# Altium PCB mantarray_beta2_sensor_arrayed.PcbDoc (part 6 of 14)
Units mil, origin at the board's own origin, x right, y up, seen from the top; angles counter-clockwise.
Board outline 6232.47 x 10167.51 mil, 8 copper layers (Layer1_Top, Layer2_sig1, Layer3_AVDD_PLANE, Layer4_GND_PLANE, Layer5_DVDD_PLANE, Layer6_BUS, Layer7_sig2, Layer8_BOT), stack 50.224 mil thick; 470 components, 492 nets, 4650 pads, 3798 vias.
Unrouted connection lines stored in the file: 3.
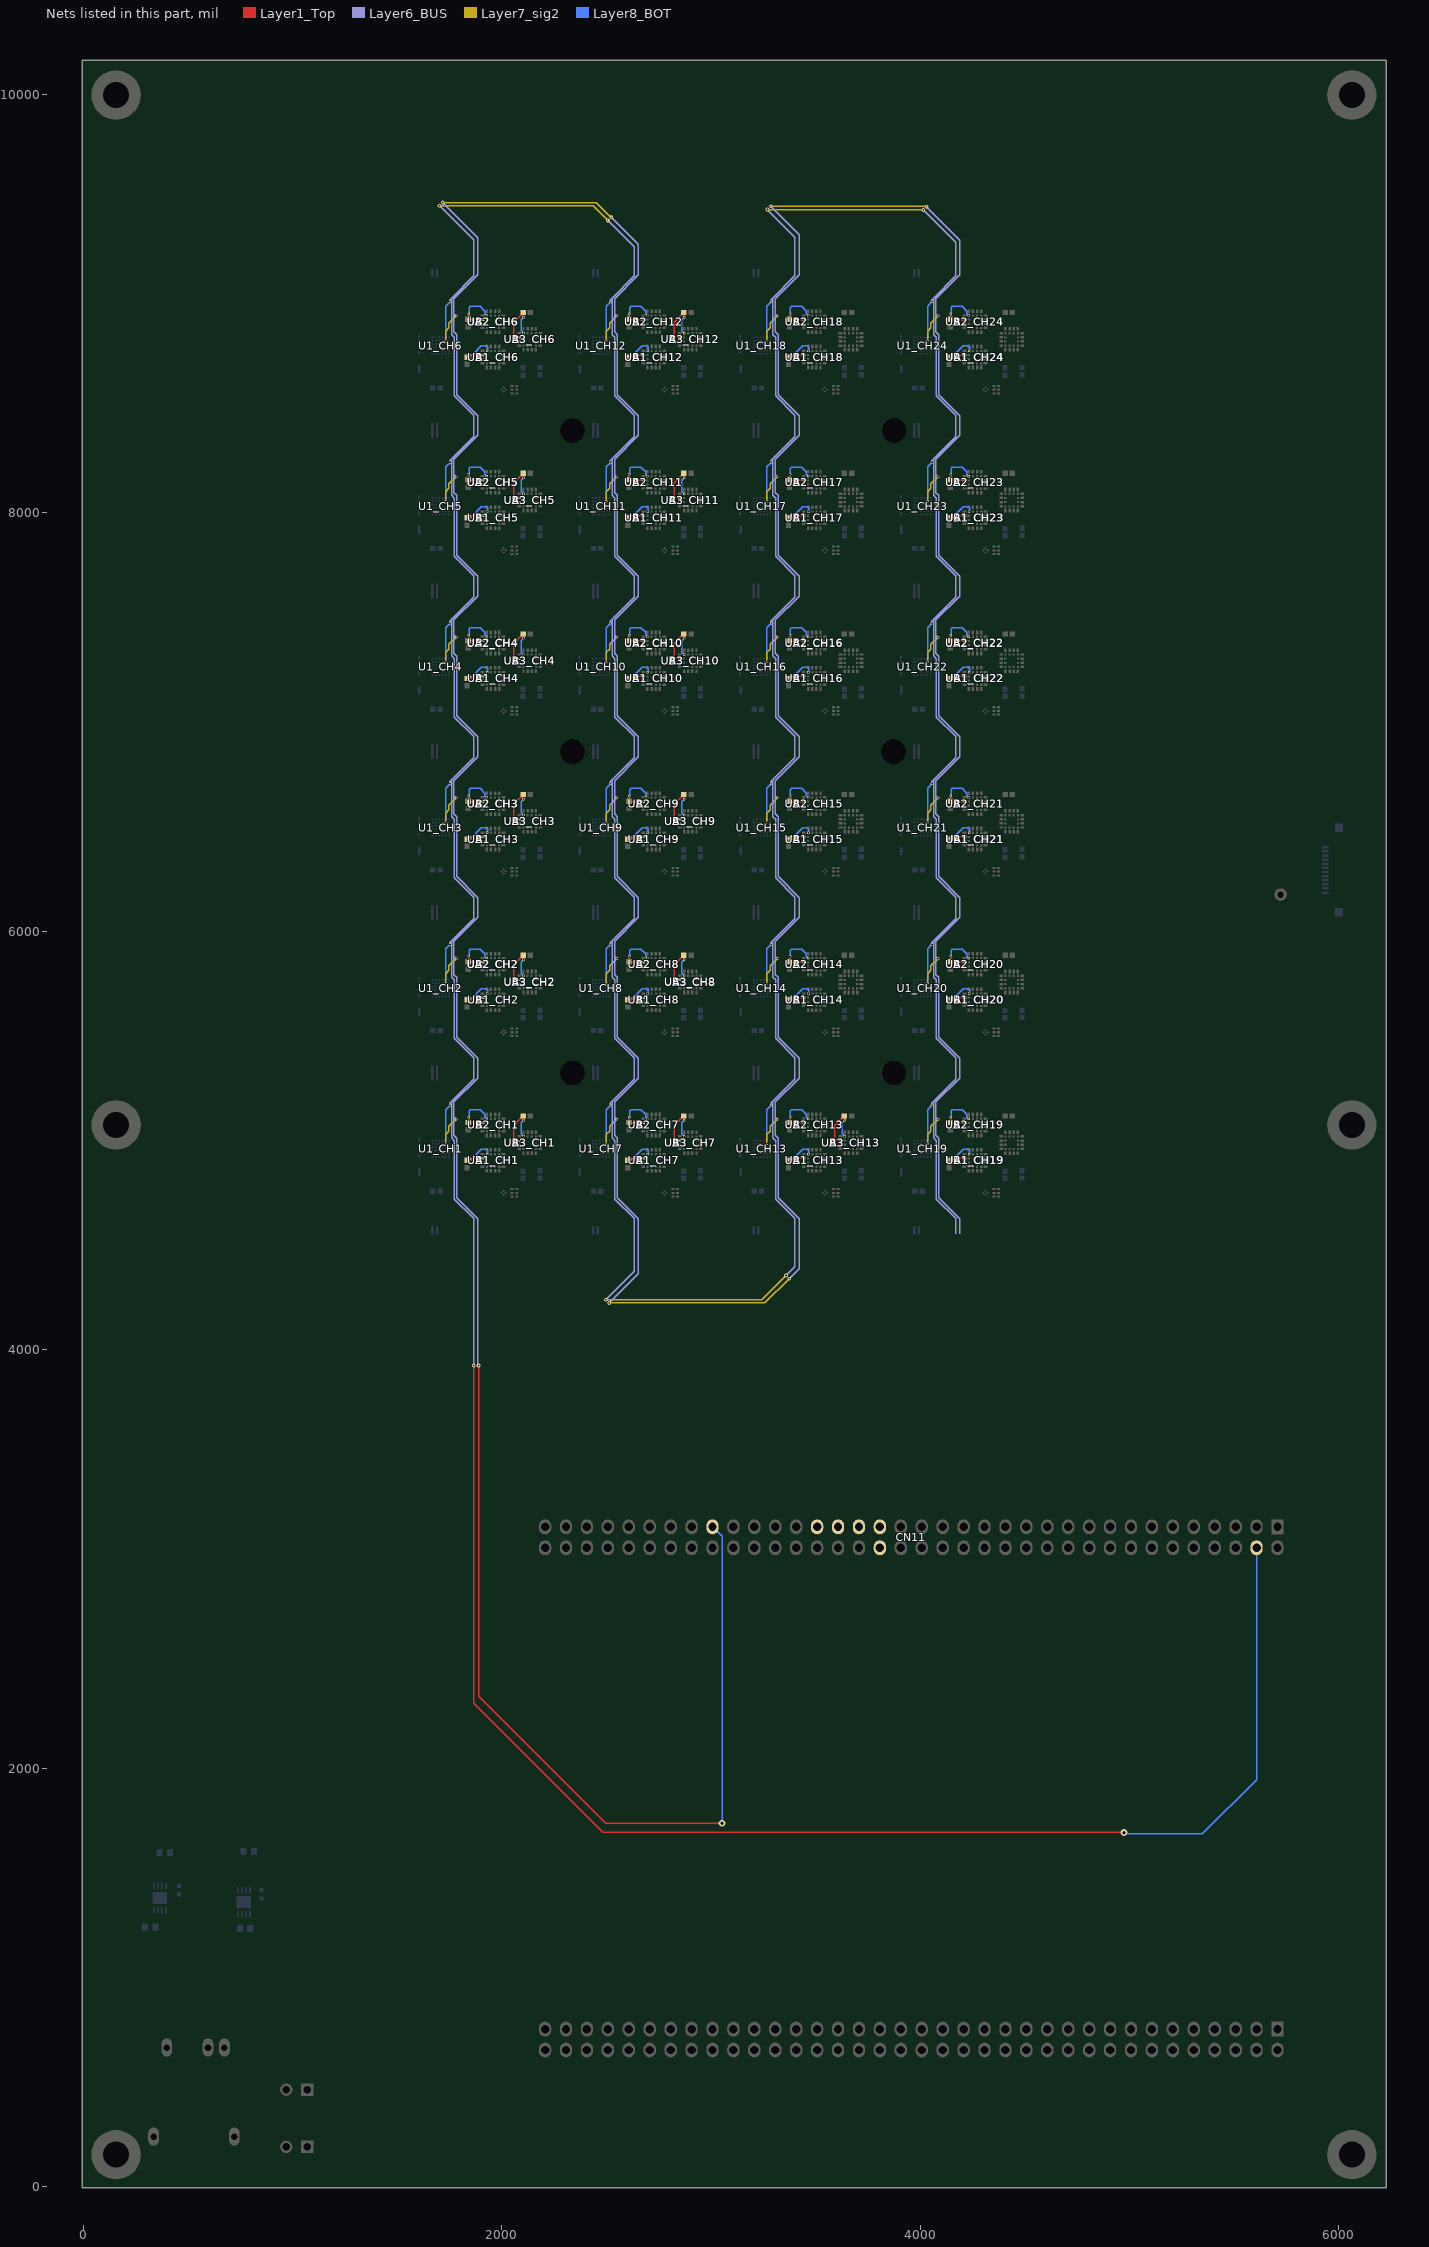
[diagram p12: the nets of this part, all layers, seen from the top]

## Via types
v1: diameter 12/12/12/12/12 (per signal layer), hole 7.87, Layer1_Top to Layer8_BOT, 2208 vias
v2: diameter 32, hole 20, Layer1_Top to Layer8_BOT, 815 vias
v3: diameter 10/10/10/10/10 (per signal layer), hole 7.87, Layer1_Top to Layer8_BOT, 456 vias
v4: diameter 18, hole 8, Layer6_BUS to Layer7_sig2, 102 vias
v5: diameter 10/10 (per signal layer), hole 7.87, Layer7_sig2 to Layer8_BOT, 96 vias
v6: diameter 18, hole 16, Layer1_Top to Layer8_BOT, 57 vias
v7: diameter 12, hole 7.87, Layer1_Top to Layer8_BOT, 26 vias
v8: diameter 18, hole 8, Layer1_Top to Layer8_BOT, 17 vias
v9: diameter 32, hole 16, Layer1_Top to Layer8_BOT, 10 vias
v10: diameter 19.68, hole 7.87, Layer1_Top to Layer8_BOT, 4 vias
v11: diameter 30, hole 20, Layer1_Top to Layer8_BOT, 3 vias
v12: diameter 70.87, hole 47.24, Layer1_Top to Layer8_BOT, 2 vias
v13: diameter 20, hole 16, Layer3_AVDD_PLANE to Layer8_BOT, 1 vias
v14: diameter 20, hole 16, Layer5_DVDD_PLANE to Layer8_BOT, 1 vias

## Nets (pads, with @x,y where several pads share a name; then routed paths per layer and width w, separated by ;. In a path a pad name is that pad's centre, name@x,y a point inside that pad or via, vN(x,y) a via of type N, cw(c..) or ccw(c..) an arc to the next point about the centre after c; other vN are vias at no path point) (continued)
BUS_C1: CN11.55 pad.5@1885.83,4557.09 pad.5@1885.83,5320.87 pad.5@1885.83,5324.8 pad.5@1885.83,6088.58 pad.5@1885.83,6092.52 pad.5@1885.83,6856.3 pad.5@1885.83,6860.24 pad.5@1885.83,7624.02 pad.5@1885.83,7627.95 pad.5@1885.83,8391.73 pad.5@1885.83,8395.67 pad.5@1885.83,9159.45 pad.5@2653.54,4557.09 pad.5@2653.54,5320.87 pad.5@2653.54,5324.8 pad.5@2653.54,6088.58 pad.5@2653.54,6092.52 pad.5@2653.54,6856.3 pad.5@2653.54,6860.24 pad.5@2653.54,7624.02 pad.5@2653.54,7627.95 pad.5@2653.54,8391.73 pad.5@2653.54,8395.67 pad.5@2653.54,9159.45 pad.5@3421.26,4557.09 pad.5@3421.26,5320.87 pad.5@3421.26,5324.8 pad.5@3421.26,6088.58 pad.5@3421.26,6092.52 pad.5@3421.26,6856.3 pad.5@3421.26,6860.24 pad.5@3421.26,7624.02 pad.5@3421.26,7627.95 pad.5@3421.26,8391.73 pad.5@3421.26,8395.67 pad.5@3421.26,9159.45 pad.5@4188.98,4557.09 pad.5@4188.98,5320.87 pad.5@4188.98,5324.8 pad.5@4188.98,6088.58 pad.5@4188.98,6092.52 pad.5@4188.98,6856.3 pad.5@4188.98,6860.24 pad.5@4188.98,7624.02 pad.5@4188.98,7627.95 pad.5@4188.98,8391.73 pad.5@4188.98,8395.67 pad.5@4188.98,9159.45 U1_CH1.B2 U1_CH2.B2 U1_CH3.B2 U1_CH4.B2 U1_CH5.B2 U1_CH6.B2 U1_CH7.B2 U1_CH8.B2 U1_CH9.B2 U1_CH10.B2 U1_CH11.B2 U1_CH12.B2 U1_CH13.B2 U1_CH14.B2 U1_CH15.B2 U1_CH16.B2 U1_CH17.B2 U1_CH18.B2 U1_CH19.B2 U1_CH20.B2 U1_CH21.B2 U1_CH22.B2 U1_CH23.B2 U1_CH24.B2 | length 33942.2
  Layer1_Top w6: v8(1889.86,3925.2) 1889.86,2345.64 2497.98,1737.53 v9@3053.15,1737.53
  Layer6_BUS w6: v4(1718.75,9482.53) 1885.83,9315.45 pad.5@1885.83,9159.45 1885.83,9137.43 1771.65,9023.26 1771.65,8946.85 ; v1(1782.28,5102.36) 1780.65,5102.36 1774.75,5108.27 1771.65,5108.27 ; v1(1782.28,5870.08) 1780.65,5870.08 1774.75,5875.98 1771.65,5875.98 ; v1(1782.28,6637.8) 1780.65,6637.8 1774.75,6643.7 1771.65,6643.7 ; v1(1782.28,7405.51) 1780.65,7405.51 1774.75,7411.42 1771.65,7411.42 ; v1(1782.28,8173.23) 1780.65,8173.23 1774.75,8179.13 1771.65,8179.13 ; v1(1782.28,8940.94) 1780.65,8940.94 1774.75,8946.85 1771.65,8946.85 ; pad.5@1885.83,4555.12 1885.83,4625.98 1785.28,4726.54 1785.28,5011.97 1771.65,5025.59 1771.65,5108.27 ; pad.5@1885.83,4557.09 1885.83,3929.23 v8(1889.86,3925.2) v8@1889.86,3928.44 ; v4(2514.02,4224.17) 2653.54,4363.69 2653.54,4555.12 2653.54,4625.98 2552.99,4726.54 2552.99,5011.97 2539.37,5025.59 2539.37,5108.27 ; v4(2523.3,9413.06) 2653.54,9282.81 pad.5@2653.54,9159.45 2653.54,9137.43 2539.37,9023.26 2539.37,8946.85 ; v1(2549.99,5102.36) 2548.37,5102.36 2542.46,5108.27 2539.37,5108.27 ; v1(2549.99,5870.08) 2548.37,5870.08 2542.46,5875.98 2539.37,5875.98 ; v1(2549.99,6637.8) 2548.37,6637.8 2542.46,6643.7 2539.37,6643.7 ; v1(2549.99,7405.51) 2548.37,7405.51 2542.46,7411.42 2539.37,7411.42 ; v1(2549.99,8173.23) 2548.37,8173.23 2542.46,8179.13 2539.37,8179.13 ; v1(2549.99,8940.94) 2548.37,8940.94 2542.46,8946.85 2539.37,8946.85 ; v4(3285.68,9464.81) 3421.26,9329.23 pad.5@3421.26,9159.45 3421.26,9137.43 3307.09,9023.26 3307.09,8946.85 ; v1(3317.71,5102.36) 3316.09,5102.36 3310.18,5108.27 3307.09,5108.27 ; v1(3317.71,5870.08) 3316.09,5870.08 3310.18,5875.98 3307.09,5875.98 ; v1(3317.71,6637.8) 3316.09,6637.8 3310.18,6643.7 3307.09,6643.7 ; v1(3317.71,7405.51) 3316.09,7405.51 3310.18,7411.42 3307.09,7411.42 ; v1(3317.71,8173.23) 3316.09,8173.23 3310.18,8179.13 3307.09,8179.13 ; v1(3317.71,8940.94) 3316.09,8940.94 3310.18,8946.85 3307.09,8946.85 ; v4(3374.67,4339.89) 3421.26,4386.48 3421.26,4555.12 3421.26,4625.98 3320.71,4726.54 3320.71,5011.97 3307.09,5025.59 3307.09,5108.27 ; v4(4029.77,9462.84) 4189.07,9303.54 pad.5@4189.07,9159.54 ; v1(4085.43,5102.36) 4083.8,5102.36 4077.9,5108.27 4074.8,5108.27 ; v1(4085.43,5870.08) 4083.8,5870.08 4077.9,5875.98 4074.8,5875.98 ; v1(4085.43,6637.8) 4083.8,6637.8 4077.9,6643.7 4074.8,6643.7 ; v1(4085.43,7405.51) 4083.8,7405.51 4077.9,7411.42 4074.8,7411.42 ; v1(4085.43,8173.23) 4083.8,8173.23 4077.9,8179.13 4074.8,8179.13 ; v1(4085.43,8940.94) 4083.8,8940.94 4077.9,8946.85 4074.8,8946.85 ; pad.5@4188.98,4555.12 4188.98,4625.98 4088.43,4726.54 4088.43,5011.97 4074.8,5025.59 4074.8,5108.27 ; pad.5@4188.98,9161.42 pad.5@4188.98,9159.45 4188.98,9137.43 4074.8,9023.26 4074.8,8946.85 ; 1771.65,5108.27 1771.65,5184.68 1885.83,5298.85 pad.5@1885.83,5320.87 1885.83,5322.83 1885.83,5393.7 1785.28,5494.25 1785.28,5779.69 1771.65,5793.31 1771.65,5875.98 ; 1771.65,5875.98 1771.65,5952.39 1885.83,6066.57 pad.5@1885.83,6088.58 1885.83,6090.55 1885.83,6161.42 1785.28,6261.97 1785.28,6547.4 1771.65,6561.02 1771.65,6643.7 ; 1771.65,6643.7 1771.65,6720.11 1885.83,6834.28 pad.5@1885.83,6856.3 1885.83,6858.27 1885.83,6929.13 1785.28,7029.69 1785.28,7315.12 1771.65,7328.74 1771.65,7411.42 ; 1771.65,7411.42 1771.65,7487.83 1885.83,7602 pad.5@1885.83,7624.02 1885.83,7625.98 1885.83,7696.85 1785.28,7797.4 1785.28,8082.84 1771.65,8096.46 1771.65,8179.13 ; 1771.65,8179.13 1771.65,8255.54 1885.83,8369.72 pad.5@1885.83,8391.73 1885.83,8393.7 1885.83,8464.57 1785.28,8565.12 1785.28,8850.55 1771.65,8864.17 1771.65,8946.85 ; 2539.37,5108.27 2539.37,5184.68 2653.54,5298.85 pad.5@2653.54,5320.87 2653.54,5322.83 2653.54,5393.7 2552.99,5494.25 2552.99,5779.69 2539.37,5793.31 2539.37,5875.98 ; 2539.37,5875.98 2539.37,5952.39 2653.54,6066.57 pad.5@2653.54,6088.58 2653.54,6090.55 2653.54,6161.42 2552.99,6261.97 2552.99,6547.4 2539.37,6561.02 2539.37,6643.7 ; 2539.37,6643.7 2539.37,6720.11 2653.54,6834.28 pad.5@2653.54,6856.3 2653.54,6858.27 2653.54,6929.13 2552.99,7029.69 2552.99,7315.12 2539.37,7328.74 2539.37,7411.42 ; 2539.37,7411.42 2539.37,7487.83 2653.54,7602 pad.5@2653.54,7624.02 2653.54,7625.98 2653.54,7696.85 2552.99,7797.4 2552.99,8082.84 2539.37,8096.46 2539.37,8179.13 ; 2539.37,8179.13 2539.37,8255.54 2653.54,8369.72 pad.5@2653.54,8391.73 2653.54,8393.7 2653.54,8464.57 2552.99,8565.12 2552.99,8850.55 2539.37,8864.17 2539.37,8946.85 ; 3307.09,5108.27 3307.09,5184.68 3421.26,5298.85 pad.5@3421.26,5320.87 3421.26,5322.83 3421.26,5393.7 3320.71,5494.25 3320.71,5779.69 3307.09,5793.31 3307.09,5875.98 ; 3307.09,5875.98 3307.09,5952.39 3421.26,6066.57 pad.5@3421.26,6088.58 3421.26,6090.55 3421.26,6161.42 3320.71,6261.97 3320.71,6547.4 3307.09,6561.02 3307.09,6643.7 ; 3307.09,6643.7 3307.09,6720.11 3421.26,6834.28 pad.5@3421.26,6856.3 3421.26,6858.27 3421.26,6929.13 3320.71,7029.69 3320.71,7315.12 3307.09,7328.74 3307.09,7411.42 ; 3307.09,7411.42 3307.09,7487.83 3421.26,7602 pad.5@3421.26,7624.02 3421.26,7625.98 3421.26,7696.85 3320.71,7797.4 3320.71,8082.84 3307.09,8096.46 3307.09,8179.13 ; 3307.09,8179.13 3307.09,8255.54 3421.26,8369.72 pad.5@3421.26,8391.73 3421.26,8393.7 3421.26,8464.57 3320.71,8565.12 3320.71,8850.55 3307.09,8864.17 3307.09,8946.85 ; 4074.8,5108.27 4074.8,5184.68 4188.98,5298.85 pad.5@4188.98,5320.87 4188.98,5322.83 4188.98,5393.7 4088.43,5494.25 4088.43,5779.69 4074.8,5793.31 4074.8,5875.98 ; 4074.8,5875.98 4074.8,5952.39 4188.98,6066.57 pad.5@4188.98,6088.58 4188.98,6090.55 4188.98,6161.42 4088.43,6261.97 4088.43,6547.4 4074.8,6561.02 4074.8,6643.7 ; 4074.8,6643.7 4074.8,6720.11 4188.98,6834.28 pad.5@4188.98,6856.3 4188.98,6858.27 4188.98,6929.13 4088.43,7029.69 4088.43,7315.12 4074.8,7328.74 4074.8,7411.42 ; 4074.8,7411.42 4074.8,7487.83 4188.98,7602 pad.5@4188.98,7624.02 4188.98,7625.98 4188.98,7696.85 4088.43,7797.4 4088.43,8082.84 4074.8,8096.46 4074.8,8179.13 ; 4074.8,8179.13 4074.8,8255.54 4188.98,8369.72 pad.5@4188.98,8391.73 4188.98,8393.7 4188.98,8464.57 4088.43,8565.12 4088.43,8850.55 4074.8,8864.17 4074.8,8946.85
  Layer7_sig2 w6: v4(1718.75,9482.53) 1719.19,9482.08 1740.93,9482.08 1741.37,9482.53 2452.51,9482.53 2521.98,9413.06 v4(2523.3,9413.06) ; v3(1732.28,4984.25) 1732.28,5029.53 1748.03,5045.28 1748.03,5068.12 v1(1782.28,5102.36) ; v3(1732.28,5751.97) 1732.28,5797.24 1748.03,5812.99 1748.03,5835.83 v1(1782.28,5870.08) ; v3(1732.28,6519.69) 1732.28,6564.96 1748.03,6580.71 1748.03,6603.55 v1(1782.28,6637.8) ; v3(1732.28,7287.4) 1732.28,7332.68 1748.03,7348.43 1748.03,7371.27 v1(1782.28,7405.51) ; v3(1732.28,8055.12) 1732.28,8100.39 1748.03,8116.14 1748.03,8138.98 v1(1782.28,8173.23) ; v3(1732.28,8822.83) 1732.28,8868.11 1748.03,8883.86 1748.03,8906.7 v1(1782.28,8940.94) ; v3(2500,4984.25) 2500,5029.53 2515.75,5045.28 2515.75,5068.12 v1(2549.99,5102.36) ; v3(2500,5751.97) 2500,5797.24 2515.75,5812.99 2515.75,5835.83 v1(2549.99,5870.08) ; v3(2500,6519.69) 2500,6564.96 2515.75,6580.71 2515.75,6603.55 v1(2549.99,6637.8) ; v3(2500,7287.4) 2500,7332.68 2515.75,7348.43 2515.75,7371.27 v1(2549.99,7405.51) ; v3(2500,8055.12) 2500,8100.39 2515.75,8116.14 2515.75,8138.98 v1(2549.99,8173.23) ; v3(2500,8822.83) 2500,8868.11 2515.75,8883.86 2515.75,8906.7 v1(2549.99,8940.94) ; v4(2514.02,4224.17) 2514.47,4224.61 2536.21,4224.61 2536.65,4224.17 3257.63,4224.17 3373.36,4339.89 v4(3374.67,4339.89) ; v3(3267.72,4984.25) 3267.72,5029.53 3283.46,5045.28 3283.46,5068.12 v1(3317.71,5102.36) ; v3(3267.72,5751.97) 3267.72,5797.24 3283.46,5812.99 3283.46,5835.83 v1(3317.71,5870.08) ; v3(3267.72,6519.69) 3267.72,6564.96 3283.46,6580.71 3283.46,6603.55 v1(3317.71,6637.8) ; v3(3267.72,7287.4) 3267.72,7332.68 3283.46,7348.43 3283.46,7371.27 v1(3317.71,7405.51) ; v3(3267.72,8055.12) 3267.72,8100.39 3283.46,8116.14 3283.46,8138.98 v1(3317.71,8173.23) ; v3(3267.72,8822.83) 3267.72,8868.11 3283.46,8883.86 3283.46,8906.7 v1(3317.71,8940.94) ; v4(3285.68,9464.81) 3286.12,9464.37 4028.25,9464.37 v4(4029.77,9462.84) ; v3(4035.43,4984.25) 4035.43,5029.53 4051.18,5045.28 4051.18,5068.12 v1(4085.43,5102.36) ; v3(4035.43,5751.97) 4035.43,5797.24 4051.18,5812.99 4051.18,5835.83 v1(4085.43,5870.08) ; v3(4035.43,6519.69) 4035.43,6564.96 4051.18,6580.71 4051.18,6603.55 v1(4085.43,6637.8) ; v3(4035.43,7287.4) 4035.43,7332.68 4051.18,7348.43 4051.18,7371.27 v1(4085.43,7405.51) ; v3(4035.43,8055.12) 4035.43,8100.39 4051.18,8116.14 4051.18,8138.98 v1(4085.43,8173.23) ; v3(4035.43,8822.83) 4035.43,8868.11 4051.18,8883.86 4051.18,8906.7 v1(4085.43,8940.94)
  Layer8_BOT w6: CN11.55@3007.48,3153.94 3053.15,3108.27 v9(3053.15,1738.19)
BUS_C2: CN11.4 pad.5@1866.14,4557.09 pad.5@1866.14,5320.87 pad.5@1866.14,5324.8 pad.5@1866.14,6088.58 pad.5@1866.14,6092.52 pad.5@1866.14,6856.3 pad.5@1866.14,6860.24 pad.5@1866.14,7624.02 pad.5@1866.14,7627.95 pad.5@1866.14,8391.73 pad.5@1866.14,8395.67 pad.5@1866.14,9159.45 pad.5@2633.86,4557.09 pad.5@2633.86,5320.87 pad.5@2633.86,5324.8 pad.5@2633.86,6088.58 pad.5@2633.86,6092.52 pad.5@2633.86,6856.3 pad.5@2633.86,6860.24 pad.5@2633.86,7624.02 pad.5@2633.86,7627.95 pad.5@2633.86,8391.73 pad.5@2633.86,8395.67 pad.5@2633.86,9159.45 pad.5@3401.57,4557.09 pad.5@3401.57,5320.87 pad.5@3401.57,5324.8 pad.5@3401.57,6088.58 pad.5@3401.57,6092.52 pad.5@3401.57,6856.3 pad.5@3401.57,6860.24 pad.5@3401.57,7624.02 pad.5@3401.57,7627.95 pad.5@3401.57,8391.73 pad.5@3401.57,8395.67 pad.5@3401.57,9159.45 pad.5@4169.29,4557.09 pad.5@4169.29,5320.87 pad.5@4169.29,5324.8 pad.5@4169.29,6088.58 pad.5@4169.29,6092.52 pad.5@4169.29,6856.3 pad.5@4169.29,6860.24 pad.5@4169.29,7624.02 pad.5@4169.29,7627.95 pad.5@4169.29,8391.73 pad.5@4169.29,8395.67 pad.5@4169.29,9159.45 U1_CH1.A2 U1_CH2.A2 U1_CH3.A2 U1_CH4.A2 U1_CH5.A2 U1_CH6.A2 U1_CH7.A2 U1_CH8.A2 U1_CH9.A2 U1_CH10.A2 U1_CH11.A2 U1_CH12.A2 U1_CH13.A2 U1_CH14.A2 U1_CH15.A2 U1_CH16.A2 U1_CH17.A2 U1_CH18.A2 U1_CH19.A2 U1_CH20.A2 U1_CH21.A2 U1_CH22.A2 U1_CH23.A2 U1_CH24.A2 | length 37211
  Layer1_Top w6: v8(1866.14,3925.2) 1866.14,2310.77 2482.78,1694.13 v9@4976.38,1694.13
  Layer6_BUS w6: v4(1703.19,9466.97) 1866.14,9304.02 pad.5@1866.14,9159.45 1866.14,9131.89 1760.6,9026.35 ; v1(1753.16,5169.29) 1752.01,5170.44 1752.01,5177.22 1751.03,5178.2 1760.6,5187.76 ; v1(1753.16,5937.01) 1752.01,5938.16 1752.01,5944.94 1751.03,5945.91 1760.6,5955.48 ; v1(1753.16,6704.72) 1752.01,6705.87 1752.01,6712.65 1751.03,6713.63 1760.6,6723.2 ; v1(1753.16,7472.44) 1752.01,7473.59 1752.01,7480.37 1751.03,7481.35 1760.6,7490.91 ; v1(1753.16,8240.16) 1752.01,8241.31 1752.01,8248.08 1751.03,8249.06 1760.6,8258.63 ; v1(1753.16,9007.87) 1752.01,9009.02 1752.01,9015.8 1751.03,9016.78 1760.6,9026.35 ; v8(1866.14,3925.2) pad.5@1866.14,4557.09 ; pad.5@1866.14,4555.12 1866.14,4627.95 1773.78,4720.31 1773.78,4999.84 1760.6,5013.02 1760.6,5187.76 ; pad.5@1866.14,5320.87 1866.14,5293.31 1760.6,5187.76 ; pad.5@1866.14,5322.83 1866.14,5395.67 1773.78,5488.03 1773.78,5767.56 1760.6,5780.74 1760.6,5955.48 ; pad.5@1866.14,6088.58 1866.14,6061.02 1760.6,5955.48 ; pad.5@1866.14,6090.55 1866.14,6163.39 1773.78,6255.75 1773.78,6535.28 1760.6,6548.46 1760.6,6723.2 ; pad.5@1866.14,6856.3 1866.14,6828.74 1760.6,6723.2 ; pad.5@1866.14,6858.27 1866.14,6931.1 1773.78,7023.46 1773.78,7302.99 1760.6,7316.17 1760.6,7490.91 ; pad.5@1866.14,7624.02 1866.14,7596.46 1760.6,7490.91 ; pad.5@1866.14,7625.98 1866.14,7698.82 1773.78,7791.18 1773.78,8070.71 1760.6,8083.89 1760.6,8258.63 ; pad.5@1866.14,8391.73 1866.14,8364.17 1760.6,8258.63 ; pad.5@1866.14,8393.7 1866.14,8466.54 1773.78,8558.9 1773.78,8838.43 1760.6,8851.61 1760.6,9026.35 ; v4(2498.47,4239.72) 2633.86,4375.11 pad.5@2633.86,4557.09 ; v4(2507.74,9397.5) 2633.86,9271.38 pad.5@2633.86,9159.45 2633.86,9131.89 2528.32,9026.35 ; v1(2520.87,5169.29) 2519.73,5170.44 2519.73,5177.22 2518.75,5178.2 2528.32,5187.76 ; v1(2520.87,5937.01) 2519.73,5938.16 2519.73,5944.94 2518.75,5945.91 2528.32,5955.48 ; v1(2520.87,6704.72) 2519.73,6705.87 2519.73,6712.65 2518.75,6713.63 2528.32,6723.2 ; v1(2520.87,7472.44) 2519.73,7473.59 2519.73,7480.37 2518.75,7481.35 2528.32,7490.91 ; v1(2520.87,8240.16) 2519.73,8241.31 2519.73,8248.08 2518.75,8249.06 2528.32,8258.63 ; v1(2520.87,9007.87) 2519.73,9009.02 2519.73,9015.8 2518.75,9016.78 2528.32,9026.35 ; pad.5@2633.86,4555.12 2633.86,4627.95 2541.5,4720.31 2541.5,4999.84 2528.32,5013.02 2528.32,5187.76 ; pad.5@2633.86,5320.87 2633.86,5293.31 2528.32,5187.76 ; pad.5@2633.86,5322.83 2633.86,5395.67 2541.5,5488.03 2541.5,5767.56 2528.32,5780.74 2528.32,5955.48 ; pad.5@2633.86,6088.58 2633.86,6061.02 2528.32,5955.48 ; pad.5@2633.86,6090.55 2633.86,6163.39 2541.5,6255.75 2541.5,6535.28 2528.32,6548.46 2528.32,6723.2 ; pad.5@2633.86,6856.3 2633.86,6828.74 2528.32,6723.2 ; pad.5@2633.86,6858.27 2633.86,6931.1 2541.5,7023.46 2541.5,7302.99 2528.32,7316.17 2528.32,7490.91 ; pad.5@2633.86,7624.02 2633.86,7596.46 2528.32,7490.91 ; pad.5@2633.86,7625.98 2633.86,7698.82 2541.5,7791.18 2541.5,8070.71 2528.32,8083.89 2528.32,8258.63 ; pad.5@2633.86,8391.73 2633.86,8364.17 2528.32,8258.63 ; pad.5@2633.86,8393.7 2633.86,8466.54 2541.5,8558.9 2541.5,8838.43 2528.32,8851.61 2528.32,9026.35 ; v4(3270.12,9449.25) 3401.57,9317.8 pad.5@3401.57,9159.45 3401.57,9131.89 3296.03,9026.35 ; v1(3288.59,5169.29) 3287.44,5170.44 3287.44,5177.22 3286.46,5178.2 3296.03,5187.76 ; v1(3288.59,5937.01) 3287.44,5938.16 3287.44,5944.94 3286.46,5945.91 3296.03,5955.48 ; v1(3288.59,6704.72) 3287.44,6705.87 3287.44,6712.65 3286.46,6713.63 3296.03,6723.2 ; v1(3288.59,7472.44) 3287.44,7473.59 3287.44,7480.37 3286.46,7481.35 3296.03,7490.91 ; v1(3288.59,8240.16) 3287.44,8241.31 3287.44,8248.08 3286.46,8249.06 3296.03,8258.63 ; v1(3288.59,9007.87) 3287.44,9009.02 3287.44,9015.8 3286.46,9016.78 3296.03,9026.35 ; v4(3359.12,4355.45) 3401.57,4397.91 pad.5@3401.57,4557.09 ; pad.5@3401.57,4555.12 3401.57,4627.95 3309.21,4720.31 3309.21,4999.84 3296.03,5013.02 3296.03,5187.76 ; pad.5@3401.57,5320.87 3401.57,5293.31 3296.03,5187.76 ; pad.5@3401.57,5322.83 3401.57,5395.67 3309.21,5488.03 3309.21,5767.56 3296.03,5780.74 3296.03,5955.48 ; pad.5@3401.57,6088.58 3401.57,6061.02 3296.03,5955.48 ; pad.5@3401.57,6090.55 3401.57,6163.39 3309.21,6255.75 3309.21,6535.28 3296.03,6548.46 3296.03,6723.2 ; pad.5@3401.57,6856.3 3401.57,6828.74 3296.03,6723.2 ; pad.5@3401.57,6858.27 3401.57,6931.1 3309.21,7023.46 3309.21,7302.99 3296.03,7316.17 3296.03,7490.91 ; pad.5@3401.57,7624.02 3401.57,7596.46 3296.03,7490.91 ; pad.5@3401.57,7625.98 3401.57,7698.82 3309.21,7791.18 3309.21,8070.71 3296.03,8083.89 3296.03,8258.63 ; pad.5@3401.57,8391.73 3401.57,8364.17 3296.03,8258.63 ; pad.5@3401.57,8393.7 3401.57,8466.54 3309.21,8558.9 3309.21,8838.43 3296.03,8851.61 3296.03,9026.35 ; v4(4014.21,9447.28) 4169.29,9292.21 pad.5@4169.29,9159.45 4169.29,9131.89 4063.75,9026.35 ; v1(4056.31,5169.29) 4055.16,5170.44 4055.16,5177.22 4054.18,5178.2 4063.75,5187.76 ; v1(4056.31,5937.01) 4055.16,5938.16 4055.16,5944.94 4054.18,5945.91 4063.75,5955.48 ; v1(4056.31,6704.72) 4055.16,6705.87 4055.16,6712.65 4054.18,6713.63 4063.75,6723.2 ; v1(4056.31,7472.44) 4055.16,7473.59 4055.16,7480.37 4054.18,7481.35 4063.75,7490.91 ; v1(4056.31,8240.16) 4055.16,8241.31 4055.16,8248.08 4054.18,8249.06 4063.75,8258.63 ; v1(4056.31,9007.87) 4055.16,9009.02 4055.16,9015.8 4054.18,9016.78 4063.75,9026.35 ; pad.5@4169.29,4555.12 4169.29,4627.95 4076.93,4720.31 4076.93,4999.84 4063.75,5013.02 4063.75,5187.76 ; pad.5@4169.29,5320.87 4169.29,5293.31 4063.75,5187.76 ; pad.5@4169.29,5322.83 4169.29,5395.67 4076.93,5488.03 4076.93,5767.56 4063.75,5780.74 4063.75,5955.48 ; pad.5@4169.29,6088.58 4169.29,6061.02 4063.75,5955.48 ; pad.5@4169.29,6090.55 4169.29,6163.39 4076.93,6255.75 4076.93,6535.28 4063.75,6548.46 4063.75,6723.2 ; pad.5@4169.29,6856.3 4169.29,6828.74 4063.75,6723.2 ; pad.5@4169.29,6858.27 4169.29,6931.1 4076.93,7023.46 4076.93,7302.99 4063.75,7316.17 4063.75,7490.91 ; pad.5@4169.29,7624.02 4169.29,7596.46 4063.75,7490.91 ; pad.5@4169.29,7625.98 4169.29,7698.82 4076.93,7791.18 4076.93,8070.71 4063.75,8083.89 4063.75,8258.63 ; pad.5@4169.29,8391.73 4169.29,8364.17 4063.75,8258.63 ; pad.5@4169.29,8393.7 4169.29,8466.54 4076.93,8558.9 4076.93,8838.43 4063.75,8851.61 4063.75,9026.35
  Layer7_sig2 w6: v4(1703.19,9466.97) 1703.63,9466.53 1725.37,9466.53 1725.82,9466.97 2438.27,9466.97 v4(2507.74,9397.5) ; v4(2498.47,4239.72) 2498.91,4240.17 2520.65,4240.17 2521.09,4239.72 3243.39,4239.72 v4(3359.12,4355.45) ; v4(3270.12,9449.25) 3270.56,9448.81 4012.69,9448.81 v4(4014.21,9447.28)
  Layer8_BOT w6: U1_CH1.A2@1732.28,5000 1732.28,5148.42 v1(1753.16,5169.29) ; U1_CH2.A2@1732.28,5767.72 1732.28,5916.13 v1(1753.16,5937.01) ; U1_CH3.A2@1732.28,6535.43 1732.28,6683.85 v1(1753.16,6704.72) ; U1_CH4.A2@1732.28,7303.15 1732.28,7451.57 v1(1753.16,7472.44) ; U1_CH5.A2@1732.28,8070.87 1732.28,8219.28 v1(1753.16,8240.16) ; U1_CH6.A2@1732.28,8838.58 1732.28,8987 v1(1753.16,9007.87) ; U1_CH7.A2@2500,5000 2500,5148.42 v1(2520.87,5169.29) ; U1_CH8.A2@2500,5767.72 2500,5916.13 v1(2520.87,5937.01) ; U1_CH9.A2@2500,6535.43 2500,6683.85 v1(2520.87,6704.72) ; U1_CH10.A2@2500,7303.15 2500,7451.57 v1(2520.87,7472.44) ; U1_CH11.A2@2500,8070.87 2500,8219.28 v1(2520.87,8240.16) ; U1_CH12.A2@2500,8838.58 2500,8987 v1(2520.87,9007.87) ; U1_CH13.A2@3267.72,5000 3267.72,5148.42 v1(3288.59,5169.29) ; U1_CH14.A2@3267.72,5767.72 3267.72,5916.13 v1(3288.59,5937.01) ; U1_CH15.A2@3267.72,6535.43 3267.72,6683.85 v1(3288.59,6704.72) ; U1_CH16.A2@3267.72,7303.15 3267.72,7451.57 v1(3288.59,7472.44) ; U1_CH17.A2@3267.72,8070.87 3267.72,8219.28 v1(3288.59,8240.16) ; U1_CH18.A2@3267.72,8838.58 3267.72,8987 v1(3288.59,9007.87) ; U1_CH19.A2@4035.43,5000 4035.43,5148.42 v1(4056.31,5169.29) ; U1_CH20.A2@4035.43,5767.72 4035.43,5916.13 v1(4056.31,5937.01) ; U1_CH21.A2@4035.43,6535.43 4035.43,6683.85 v1(4056.31,6704.72) ; U1_CH22.A2@4035.43,7303.15 4035.43,7451.57 v1(4056.31,7472.44) ; U1_CH23.A2@4035.43,8070.87 4035.43,8219.28 v1(4056.31,8240.16) ; U1_CH24.A2@4035.43,8838.58 4035.43,8987 v1(4056.31,9007.87) ; v9(4974.41,1692.91) 4980.31,1687.01 5348.43,1687.01 5607.48,1946.06 CN11.4@5607.48,3053.94